# Altium PCB PCB_Template.PcbDoc (part 5 of 6)
Units mm, origin at the board's own origin, x right, y up, seen from the top; angles counter-clockwise.
Board outline 93 x 50 mm, 4 copper layers (Top Layer, Int1 (GND), Int2 (PWR), Bottom Layer), stack 1.369 mm thick; 176 components, 236 nets, 978 pads, 657 vias.
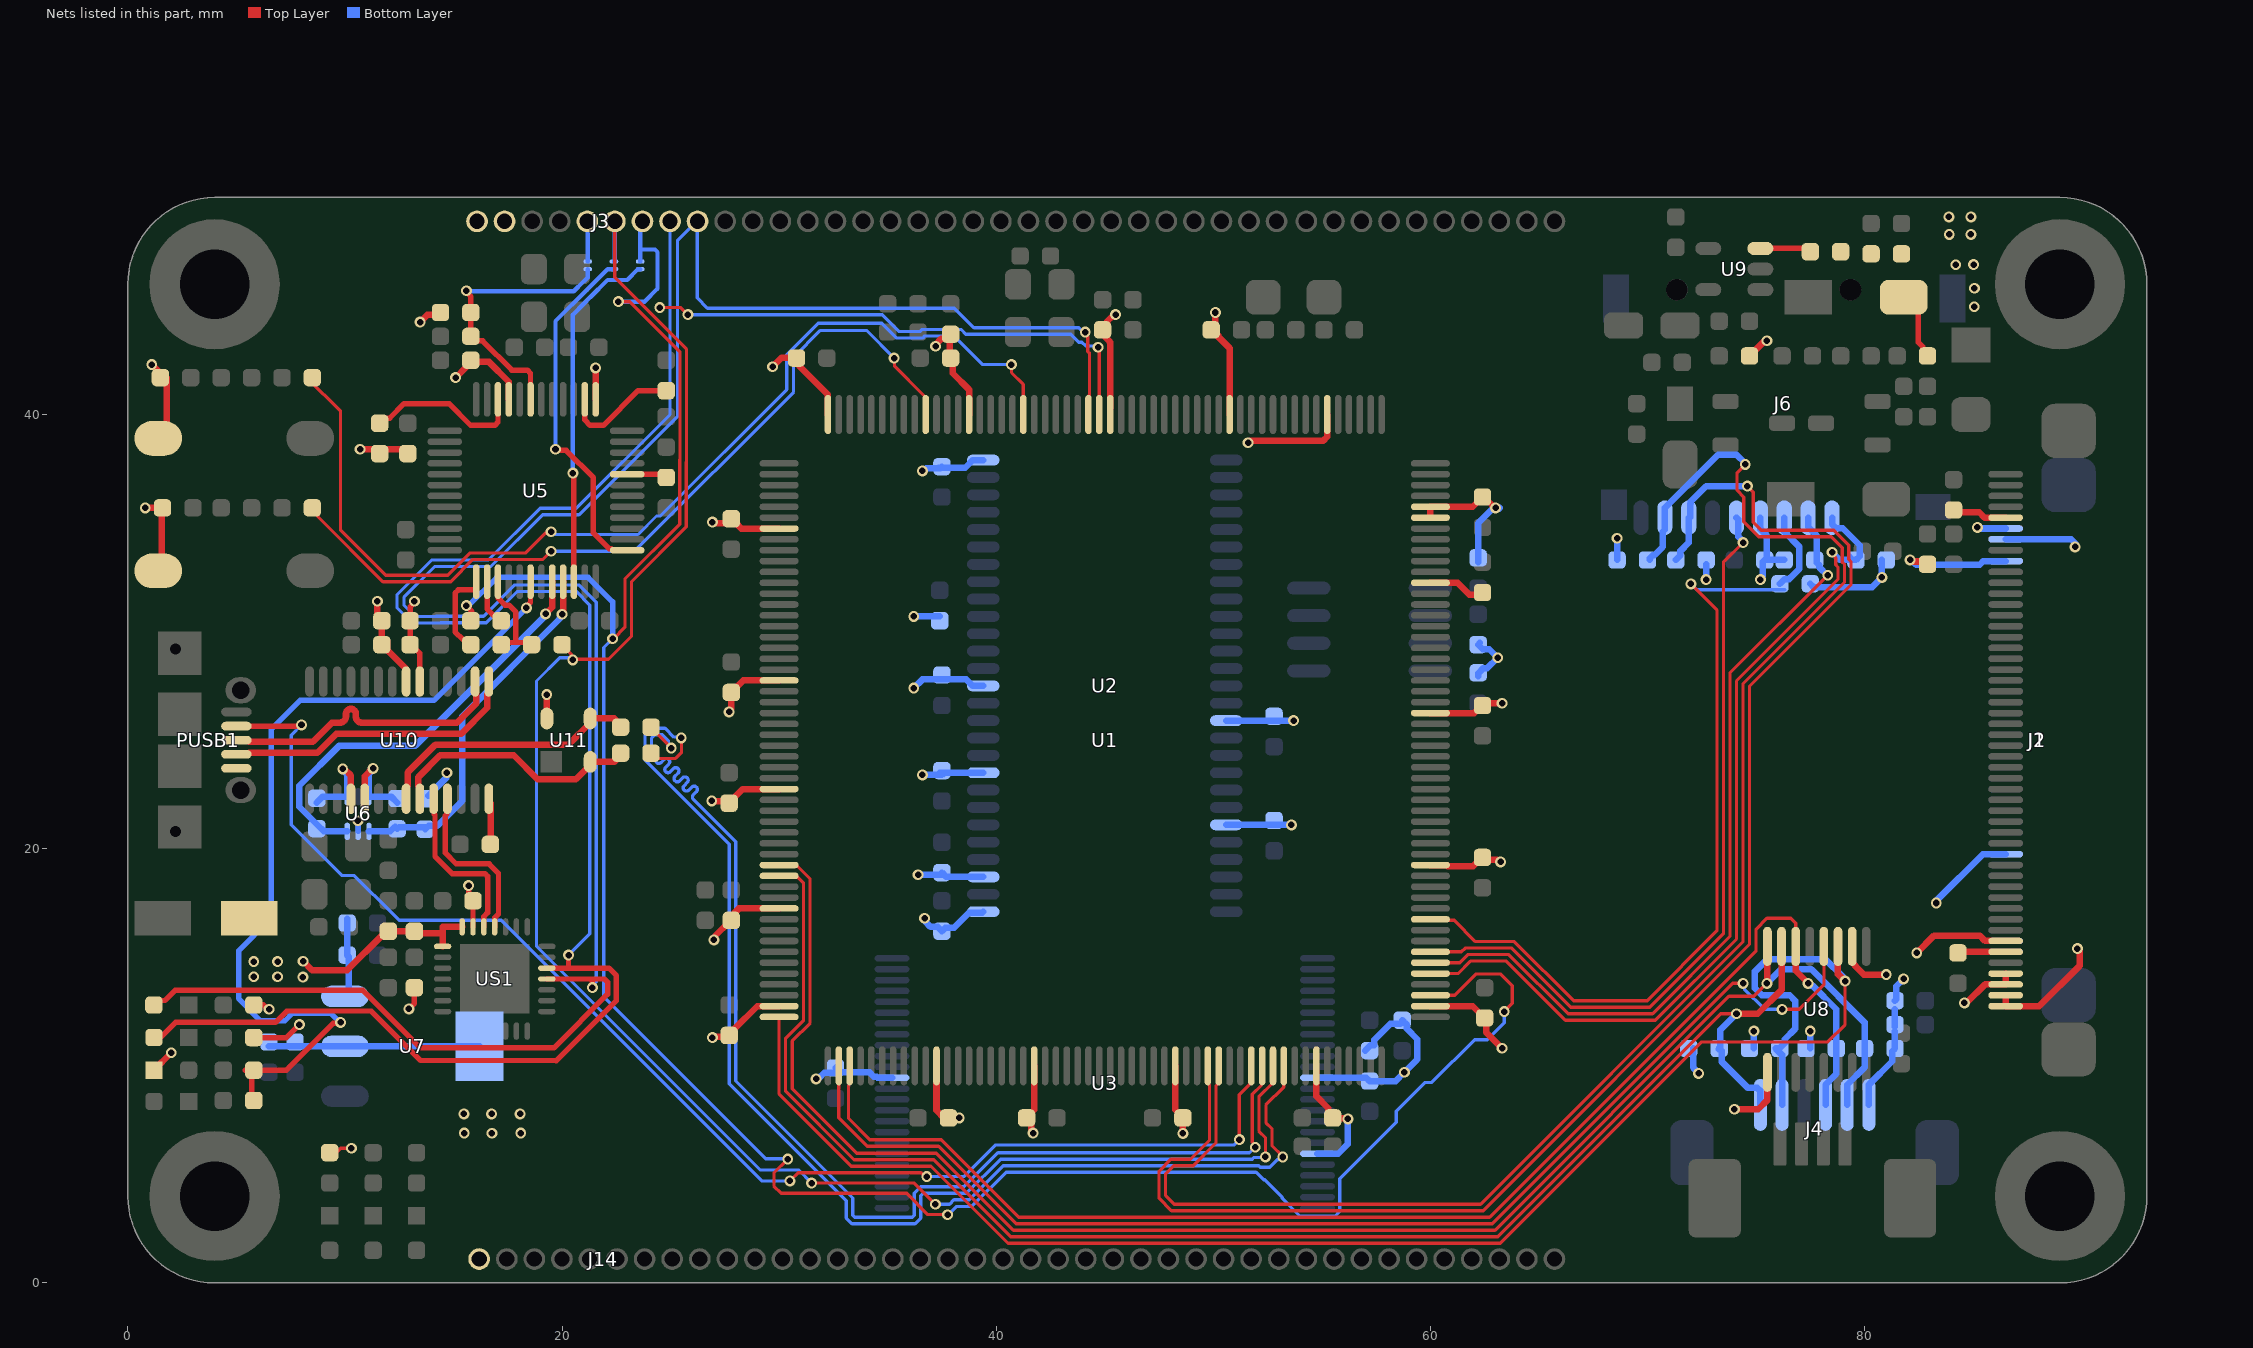
[diagram p7: the nets of this part, all layers, seen from the top]

## Via types
v1: diameter 0.5, hole 0.3, Top Layer to Bottom Layer, tented both sides, 457 vias
v2: diameter 0.5/0.5 (per signal layer), hole 0.3, Top Layer to Bottom Layer, tented both sides, 152 vias
v3: diameter 0.8, hole 0.5, Top Layer to Bottom Layer, 32 vias
v4: diameter 0.7/0.5 (per signal layer), hole 0.5, Top Layer to Bottom Layer, tented both sides, 9 vias
v5: diameter 0.3, hole 0.2, Top Layer to Bottom Layer, tented both sides, 7 vias

## Nets (pads, with @x,y where several pads share a name; then routed paths per layer and width w, separated by ;. In a path a pad name is that pad's centre, name@x,y a point inside that pad or via, vN(x,y) a via of type N, cw(c..) or ccw(c..) an arc to the next point about the centre after c; other vN are vias at no path point) (continued)
NetJ1_6: J1.6 R1.2 | length 2.3
  Top Layer w0.3: R1.2@84.3,15 R1.2@84.35,15.05 ; R1.2@84.3,15.2 84.35,15.25 J1.6@86.5,15.25
NetJ1_46: J1.46 R34.2 | length 2.5
  Top Layer w0.3: R34.2@84.15,35.55 84.2,35.5 85.278,35.5 85.528,35.25 J1.46@86.5,35.25
NetR6_2: R6.2 U1.197 | length 2.8
  Top Layer w0.3: U1.197@60,32.25 61.25,32.25 61.8,31.7 R6.2@62.538,31.7
NetR18_2: R18.2 U5.10 | length 7.3
  Top Layer w0.25: R18.2@11.6,39.6 11.829,39.829 12.057,39.829 12.728,40.5 14.8,40.5 15.796,39.504 16.904,39.504 17.05,39.65 U5.10@17.05,40.7
NetR20_1: R20.1 U5.2 | length 5.7
  Top Layer w0.25: U5.2@21.05,40.7 21.05,39.75 21.3,39.5 21.9,39.5 23.5,41.1 R20.1@25.081,41.1
NetR21_2: R21.2 R22.2 U5.30 | length 40.5
  Top Layer w0.25: R21.2@5.4,9.8 R21.2@5.6,9.8 ; R22.2@5.7,8.4 5.7,9.8 7.3,9.8 9.458,11.958 9.758,11.958 v1(9.8,12) ; v1(18.362,31.095) 18.362,31.163 18.55,31.35 U5.30@18.55,32.3
  Bottom Layer w0.25: v1(9.8,12) 9.766,12 9.341,12.425 7.583,12.425 7.229,12.071 6.111,12.071 5.587,12.596 5.587,12.613 5.1,13.1 5.1,15.3 6.6,16.8 6.6,25.5 7.932,26.832 14.1,26.832 v1(18.362,31.095)
NetR24_1: R24.1 U5.44 | length 1.8
  Top Layer w0.25: U5.44@23,37.25 24.75,37.25 R24.1@24.8,37.3
NetR25_1: R25.1 R27.2 U5.27 | length 4.2
  Top Layer w0.25: U5.27@17.05,32.3 17.06,32.29 17.06,31.539 17.381,31.218 17.554,31.218 17.875,30.897 17.875,29.5 ; R25.1@17.419,29.5 17.875,29.5 ; R27.2@18.4,29.5 17.875,29.5
NetR25_2: R25.2 U5.25 | length 4.2
  Top Layer w0.25: R25.2@15.8,29.4 15.571,29.629 15.44,29.629 15.075,29.994 15.075,31.775 15.221,31.921 16.027,31.921 16.05,31.945 U5.25@16.05,32.3
NetR26_2: R26.2 U5.26 | length 2
  Top Layer w0.25: 16.55,31.313 U5.26@16.55,32.3 ; 16.55,31.313 16.55,31.05 R26.2@17.1,30.5
NetR37_1: R37.1 U10.14 | length 2
  Top Layer w0.3: R37.1@16.5,20.2 16.728,20.428 U10.14@16.728,22.1
NetR39_2: R39.2 U9.3 | length 2.3
  Top Layer w0.25: U9.3@75.2,47.65 R39.2@77.525,47.65
NRST: R7.2 U1.34 | length 48.7
  Top Layer w0.15: R7.2@8.25,41.7 9.8,40.15 9.8,34.674 11.874,32.6 14.745,32.6 15.77,33.625 18.325,33.625 19.233,34.533 19.428,34.533 v1(19.495,34.6) ; v1(40.7,42.3) 40.705,42.295 40.705,41.933 41.25,41.387 U1.34@41.25,40
  Bottom Layer w0.15: v1(19.495,34.6) 19.589,34.6 19.714,34.475 23.503,34.475 24.353,35.325 24.529,35.325 30.352,41.148 30.352,42.748 31.804,44.2 34.735,44.2 35.415,43.52 36.61,43.52 36.711,43.621 38.051,43.621 39.372,42.3 v1(40.7,42.3)
RESET: J3.5 JP4.1 | length 1.9
  Bottom Layer w0.2: J3.5@21.165,48.9 21.184,48.881 JP4.1@21.184,47.05
RST_ST: C61.2 JP4.2 R23.1 U5.7 | length 12.9
  Top Layer w0.25: v1(15.6,45.7) 15.6,45.638 15.8,45.438 R23.1@15.8,44.7 C61.2@15.8,43.6 ; C61.2@15.9,43.5 16.003,43.397 16.339,43.397 17.692,42.044 18.404,42.044 18.55,41.897 U5.7@18.55,40.7
  Bottom Layer w0.2: v1@15.675,45.65 15.7,45.675 20.543,45.675 20.993,46.125 21,46.125 21.187,46.313 21.184,46.316 JP4.2@21.184,46.7
SDIO_CLK: J6.5 U1.163 | length 35.8
  Top Layer w0.15: U1.163@60,15.25 61.422,15.25 61.598,15.425 63.744,15.425 66.469,12.7 70.111,12.7 73.5,16.089 73.5,33.2 v1(74.4,34.1)
  Bottom Layer w0.3: J6.5@74.1,35.25 74.177,35.173 74.177,34.378 74.4,34.154 v1(74.4,34.1)
SDIO_CMD: J6.3 R15.1 U1.166 | length 40.3
  Top Layer w0.15: U1.166@60.5,16.7 61.1,16.7 62.075,15.725 63.868,15.725 66.593,13 69.987,13 73.2,16.213 73.2,31 v1(72,32.2)
  Bottom Layer w0.15: v1(72,32.2) 72.275,31.925 R15.1@76.325,31.925
  Bottom Layer w0.3: R15.1@76.1,32.2 76.319,32.419 76.519,32.419 76.7,32.6 76.707,32.6 77,32.893 77,33.9 76.3,34.6 J6.3@76.3,35.25
SDIO_D0: J6.7 R14.1 U1.140 | length 72.9
  Top Layer w0.15: U1.140@49.75,10 49.75,9.209 49.825,9.134 49.825,6.576 48.949,5.7 48.049,5.7 47.5,5.151 47.5,3.9 48.072,3.328 62.436,3.328 74.7,15.592 74.7,27.48 79.375,32.155 79.375,33.224 79.275,33.324 79.275,33.984 78.587,34.671 75.241,34.671 74.875,35.038 74.875,36.425 v1(74.6,36.7)
  Bottom Layer w0.3: R14.1@71.3,33.3 71.519,33.519 71.519,33.719 71.9,34.1 J6.7@71.9,35.25 ; J6.7@71.977,35.273 71.977,35.885 72,35.908 72,36 72.7,36.7 v1(74.6,36.7)
SDIO_D1: J6.8 R13.1 U1.141 | length 75
  Top Layer w0.15: U1.141@50.25,10 50.25,9.209 50.125,9.084 50.125,6.451 49.074,5.4 48.173,5.4 47.8,5.027 47.8,4.024 48.196,3.628 62.312,3.628 74.4,15.716 74.4,27.604 79.075,32.279 79.075,33.1 78.975,33.2 78.975,33.859 78.463,34.371 75.117,34.371 74.428,35.06 74.428,36.2 74.125,36.503 74.125,37.325 v1(74.5,37.7)
  Bottom Layer w0.3: R13.1@70.1,33.3 70.1,33.373 70.246,33.519 70.319,33.519 70.7,33.9 70.7,34.592 70.8,34.692 70.8,35.7 72.562,37.462 73.25,38.15 74.104,38.15 74.5,37.754 v1(74.5,37.7)
SDIO_D2: J6.1 R12.1 U1.161 | length 41.2
  Top Layer w0.15: U1.161@60,14.25 61.271,14.25 61.846,14.825 63.495,14.825 66.22,12.1 70.36,12.1 74.1,15.84 74.1,27.728 78.775,32.403 78.775,32.975 78.675,33.075 78.675,33.393 78.5,33.568 v1(78.5,33.656)
  Bottom Layer w0.15: R12.1@79.289,33.558 R12.1@79.51,33.337
  Bottom Layer w0.3: v1(78.5,33.656) 78.856,33.3 R12.1@79.6,33.3 79.776,33.476 79.776,33.974 78.991,34.759 78.685,34.759 78.5,34.944 J6.1@78.5,35.25
SDIO_D3: J6.2 R11.1 U1.162 | length 38.1
  Top Layer w0.15: U1.162@60,14.75 61.346,14.75 61.722,15.125 63.62,15.125 66.345,12.4 70.236,12.4 73.8,15.964 73.8,28.1 v1(78.3,32.6)
  Bottom Layer w0.3: J6.2@77.4,35.25 77.4,34.824 77.8,34.424 77.8,33.173 77.919,33.054 77.919,32.956 78.275,32.6 v1(78.3,32.6)
STLinkV2_PA11: R28.1 U5.32 U6.6 | length 19.9
  Top Layer w0.3: v1(19.246,30.816) 19.55,31.12 U5.32@19.55,32.3
  Bottom Layer w0.3: U6.6@10.108,20.8 9.031,20.8 8.708,21.123 7.9,21.931 7.9,22.9 9.75,24.75 13.25,24.75 19.146,30.646 19.146,30.662 19.246,30.762 v1(19.246,30.816)
STLinkV2_PA12: R29.1 R30.1 U5.33 U6.4 | length 16.9
  Top Layer w0.3: v1(20,30.8) 20,30.854 20.05,30.904 U5.33@20.05,32.3
  Bottom Layer w0.3: U6.4@11.108,20.8 12.092,20.8 R29.1@12.308,21.015 ; R29.1@12.408,20.915 12.492,21 R30.1@13.7,21 ; R30.1@13.7,20.9 13.86,21.06 14.26,21.06 15.4,22.2 15.4,26.094 19.9,30.594 19.9,30.646 20,30.746 v1(20,30.8)
STLinkV2_PA13: JP2.2 U5.34 | length 16.3
  Top Layer w0.25: v1(20.5,37.3) 20.5,37.232 20.55,37.182 U5.34@20.55,32.3
  Bottom Layer w0.2: v1(20.5,37.3) 20.5,44.6 21,45.1 21,45.107 21.293,45.4 21.3,45.4 22.1,46.2 23,46.2 23.5,46.7 JP2.2@23.6,46.7
STLinkV2_PA14: JP3.2 U5.37 | length 16.3
  Top Layer w0.25: v1(19.7,38.4) 19.748,38.352 20.19,38.352 21.446,37.097 21.446,34.553 22.174,33.825 22.261,33.825 22.336,33.75 U5.37@23,33.75
  Bottom Layer w0.2: v1(19.7,38.4) 19.7,44.302 21.148,45.75 21.155,45.75 22.105,46.7 JP3.2@22.392,46.7
SWD_DIO: J3.6 JP3.1 R27.1 U1.147 | length 87.1
  Top Layer w0.15: R27.1@19.824,29.376 20.019,29.376 20.427,28.967 20.427,28.767 v1(20.494,28.7) 20.528,28.733 22.141,28.733 23.2,29.792 23.2,32.3 25.725,34.825 25.725,37.799 25.731,37.805 25.731,43.022 22.435,46.318 J3.6@22.435,48.9 ; v1(31.5,4.6) 36.225,4.6 v1(37.2,3.625) ; v1(53.2,5.8) 53.2,5.828 52.704,6.324 52.704,7.105 52.425,7.384 52.425,8.197 53.249,9.021 53.249,9.999 U1.147@53.25,10
  Bottom Layer w0.15: v1@20.494,28.8 19.9,28.8 18.825,27.725 18.825,15.499 29.124,5.2 30.9,5.2 v1(31.5,4.6) ; v1(37.2,3.625) 37.853,3.625 38.053,3.825 38.753,3.825 40.328,5.4 52.094,5.4 52.167,5.327 52.599,5.327 52.95,5.678 52.984,5.678 53.105,5.8 v1(53.2,5.8)
  Bottom Layer w0.2: JP3.1@22.392,47.05 22.435,47.05 J3.6@22.435,48.9
SWD_TCLK: J3.7 JP2.1 R26.1 U1.159 | length 111.7
  Top Layer w0.15: v1(22.328,29.672) 22.373,29.672 22.9,30.199 22.9,32.424 25.425,34.949 25.425,37.923 25.431,37.929 25.431,42.897 23.129,45.2 v1(22.6,45.2) ; v1(30.4,5.7) 29.762,5.062 29.762,4.462 30.099,4.125 35.875,4.125 36.85,3.15 37.75,3.15 v1(37.758,3.142) ; U1.159@60,13.25 61.119,13.25 62.095,14.225 63.247,14.225 63.775,13.697 63.775,12.875 v1(63.4,12.5)
  Top Layer w0.25: v1(15.6,31.2) 15.6,31.176 15.848,30.929 15.848,30.652 R26.1@16,30.5
  Bottom Layer w0.15: v1(22.328,29.672) 21.925,29.268 21.925,13.175 29.375,5.725 30.375,5.725 v1(30.4,5.7) ; v1(37.758,3.142) 37.794,3.142 38.178,3.525 38.878,3.525 40.453,5.1 51.97,5.1 52.317,4.753 52.365,4.753 53.18,3.938 53.18,3.89 53.995,3.075 55.605,3.075 55.825,3.295 55.825,4.797 58.432,7.404 58.432,7.904 59.764,9.235 60.064,9.235 62.034,11.206 62.624,11.206 63.4,11.982 v1(63.4,12.5)
  Bottom Layer w0.2: v1(22.6,45.2) 23.8,45.2 24.4,45.8 24.4,47.483 24.283,47.6 23.6,47.6 ; JP2.1@23.6,47.05 23.6,47.6 ; J3.7@23.705,48.9 23.6,48.795 23.6,47.6
  Bottom Layer w0.25: v1@15.7,31.2 17,32.5 21.2,32.5 22.328,31.372 v1(22.328,29.672)
T_CS: J4.6 R46.2 U1.91 U8.15 | length 72.2
  Top Layer w0.15: U1.91@30,18.75 30.78,18.75 31.125,18.405 31.125,12.094 30.3,11.269 30.3,8.824 33.449,5.675 37.121,5.675 40.668,2.128 63.104,2.128 73.376,12.4 v1(74.1,12.4)
  Top Layer w0.3: v1(74.1,12.4) 75.078,12.4 76.175,13.497 U8.15@76.175,15.5
  Bottom Layer w0.3: R46.2@73.274,10.774 73.36,10.86 73.36,11.66 v1(74.1,12.4) ; R46.2@73.3,10.8 73.414,10.686 73.414,10.195 74.626,8.984 75.061,8.984 75.2,8.845 J4.6@75.2,8.2
T_MISO: U1.106 U8.12 | length 57.2
  Top Layer w0.15: U1.106@32.75,10 32.75,7.601 34.051,6.3 37.345,6.3 40.917,2.728 62.855,2.728 73.925,13.798 74.398,13.798 v1(74.4,13.8) ; v1(76.2,12.6) 77,12.6 78.125,13.725 U8.12@78.125,15.5
  Bottom Layer w0.15: v1(74.4,13.8) 74.467,13.733 74.467,13.525 75.392,12.6 v1(76.2,12.6)
T_MOSI: J4.3 R41.2 U1.107 U8.14 | length 63.8
  Top Layer w0.15: U1.107@33.25,10 33.221,9.971 33.221,9.115 33.196,9.09 33.196,7.579 34.176,6.6 37.469,6.6 41.041,3.028 62.728,3.028 75,15.3 75,16.3 75.5,16.8 76.6,16.8 76.825,16.575 U8.14@76.825,15.5
  Top Layer w0.3: U8.14@76.825,15.5 76.825,14.375 v1(77.4,13.8)
  Bottom Layer w0.3: v1(77.4,13.8) 77.454,13.8 77.554,13.7 77.6,13.7 78.7,12.6 R41.2@78.7,10.8 78.7,9.626 78.2,9.126 J4.3@78.2,8.2
T_PEN: J4.5 R43.2 U1.104 U8.11 | length 76.5
  Top Layer w0.15: U1.104@30,12.25 30,8.7 33.325,5.375 36.997,5.375 40.544,1.828 63.228,1.828 72.5,11.1 78.3,11.1 79.1,11.9 v1(79.1,13.9)
  Top Layer w0.3: U8.11@78.775,15.5 78.775,14.225 v1(79.1,13.9)
  Bottom Layer w0.3: J4.5@76.2,8.2 76.2,10.5 75.9,10.8 76.073,10.8 76.319,11.046 76.319,11.219 76.8,11.7 76.8,13 76.55,13.25 75.272,13.25 74.95,13.572 74.95,14.35 75.5,14.9 78.2,14.9 79,14.1 79,14.054 79.1,13.954 v1(79.1,13.9)
T_SCLK: J4.2 R40.2 U1.90 U8.16 | length 75.7
  Top Layer w0.15: U1.90@30,19.25 30.78,19.25 31.425,18.605 31.425,11.97 30.6,11.145 30.6,8.949 33.574,5.975 37.245,5.975 40.792,2.428 62.979,2.428 73.751,13.2 74.9,13.2 v1@75.525,13.825
  Top Layer w0.3: v1(75.5,13.8) 75.525,13.825 U8.16@75.525,15.5
  Bottom Layer w0.3: v1(75.5,13.8) 76.15,14.45 77.55,14.45 80,12 80,9.926 79.2,9.126 J4.2@79.2,8.2
UART_RX: D9.2 J3.8 U1.27 US1.26 | length 105.4
  Top Layer w0.15: v1(24.5,44.925) 25.475,44.925 v1(25.8,44.6) ; v1(44.694,43.098) 44.75,43.042 U1.27@44.75,40
  Top Layer w0.25: D9.2@1.504,11.304 2.204,12.004 ; 2.213,12 6.8,12 7.325,12.525 11.209,12.525 13.489,10.245 19.725,10.245 ; US1.26@19.3,14.5 20.3,14.5 ; 19.725,10.225 22.5,13 22.5,14.154 22.154,14.5 20.3,14.5 ; v1(20.3,15.1) 20.3,14.5
  Bottom Layer w0.15: v1@20.292,15.092 21.275,16.075 21.275,31.225 20.65,31.85 17.95,31.85 16.512,30.412 14.412,30.412 14.4,30.4 13.104,30.4 12.4,31.104 12.4,31.696 14.004,33.3 16.6,33.3 18.988,35.688 20.664,35.688 24.975,39.999 24.975,44.925 ; v1(24.5,44.925) 24.975,44.925 ; J3.8@24.975,48.9 24.975,44.925 ; v1(25.8,44.6) 34.76,44.6 35.54,43.82 36.486,43.82 36.587,43.921 38.379,43.921 38.6,43.7 43.439,43.7 43.804,43.335 43.942,43.335 44.117,43.16 44.632,43.16 v1(44.694,43.098)
UART_TX: D10.2 J3.9 U1.28 US1.25 | length 106.8
  Top Layer w0.15: v1(44.1,43.8) 44.1,43.705 44.219,43.587 44.219,42.902 44.3,42.82 44.3,40.906 44.279,40.885 44.279,40.029 U1.28@44.25,40
  Top Layer w0.25: D10.2@1.2,12.8 1.408,13.008 1.708,13.008 2.175,13.475 10.825,13.475 13.475,10.825 19.625,10.825 22.1,13.3 22.1,13.854 21.954,14 21.4,14 ; US1.25@19.3,14 21.4,14 ; v1(21.4,13.6) 21.4,14
  Bottom Layer w0.15: v1@21.305,13.505 21.305,13.593 21.575,13.863 21.575,31.349 20.774,32.15 17.826,32.15 16.388,30.712 14.212,30.712 14.2,30.7 13.228,30.7 12.725,31.203 12.725,31.597 14.128,33 16.724,33 19.112,35.388 20.788,35.388 25.325,39.925 25.325,48.025 25.76,48.46 25.775,48.46 26.215,48.9 J3.9@26.245,48.9 J3.9@26.245,48.7 ; J3.9@26.225,48.7 26.225,45.375 26.7,44.9 38.072,44.9 38.972,44 43.805,44 44.005,43.8 v1(44.1,43.8)
USB_N: PUSB1.2 U10.15 | length 13.7
  Top Layer w0.3: PUSB1.2@5,24.35 5.527,24.35 5.602,24.425 8.732,24.425 9.607,25.3 15.367,25.3 16.56,26.493 16.56,27.105 16.628,27.173 U10.15@16.628,27.7
USB_OTG_FS_ID: PUSB1.4 U1.144 | length 62.8
  Top Layer w0.15: v1(30.5,4.7) 30.875,5.075 33.428,5.075 36.537,5.075 36.712,4.9 v1(36.8,4.9) ; v1(51.2,6.6) 51.2,8.67 51.75,9.22 U1.144@51.75,10
  Top Layer w0.25: PUSB1.4@5,25.65 7.882,25.65 7.932,25.7 v1(8,25.7)
  Bottom Layer w0.15: v1(8,25.7) 7.525,25.225 7.525,21.105 9.868,18.762 10.439,18.762 12.225,16.976 ; 12.225,16.975 12.5,16.7 17.2,16.7 29.2,4.7 v1(30.5,4.7) ; v1(36.8,4.9) 38.5,4.9 39.95,6.35 50.937,6.35 51.187,6.6 v1(51.2,6.6)
USB_OTG_FS_N: R31.2 U1.145 | length 56
  Top Layer w0.15: R31.2@24.09,25.592 25.033,24.65 v1(25.033,24.633) ; v1(51.929,6.252) 51.929,6.347 51.8,6.476 51.8,8.694 52.221,9.115 52.221,9.971 U1.145@52.25,10
  Bottom Layer w0.15: v1@24.933,24.633 24.899,24.666 24.899,24.971 24.622,25.248 24.267,25.248 24.125,25.106 24.125,24.2 24.354,23.971 ccw(c24.46,24.077) 24.566,23.971 24.707,24.113 cw(c24.813,24.007) 24.92,24.113 cw(c24.813,24.007) 24.92,23.9 24.778,23.759 ccw(c24.884,23.653) 24.778,23.547 ccw(c24.884,23.653) 24.99,23.547 25.132,23.688 cw(c25.238,23.582) 25.344,23.688 cw(c25.238,23.582) 25.344,23.476 25.202,23.335 ccw(c25.308,23.229) 25.202,23.123 ccw(c25.308,23.229) 25.414,23.123 25.556,23.264 cw(c25.662,23.158) 25.768,23.264 cw(c25.662,23.158) 25.768,23.052 25.627,22.911 ccw(c25.733,22.804) 25.627,22.698 ccw(c25.733,22.804) 25.839,22.698 25.98,22.84 cw(c26.086,22.734) 26.192,22.84 cw(c26.086,22.734) 26.192,22.628 26.051,22.486 ccw(c26.157,22.38) 26.051,22.274 26.316,22.009 28,20.325 28,9.3 33.389,3.911 33.389,3.113 33.477,3.025 36.137,3.025 36.225,3.113 36.225,4.136 36.514,4.425 38.505,4.425 40.08,6 51.667,6 51.918,6.252 v1(51.929,6.252)
USB_OTG_FS_P: R32.2 U1.146 | length 56.3
  Top Layer w0.15: R32.2@24.1,24.4 24.342,24.158 25.229,24.158 25.508,24.436 25.508,25.092 v1(25.492,25.108) ; v1(52.402,5.802) 52.404,5.804 52.404,6.691 52.1,6.995 52.1,8.57 52.75,9.22 U1.146@52.75,10
  Bottom Layer w0.15: v1(25.492,25.108) 25.459,25.141 25.154,25.141 24.747,25.548 24.143,25.548 23.825,25.23 23.825,24.076 27.7,20.201 27.7,9.176 33.089,3.787 33.089,2.989 33.352,2.725 36.261,2.725 36.525,2.989 36.525,4.012 36.638,4.125 38.629,4.125 40.204,5.7 51.791,5.7 51.868,5.777 52.377,5.777 v1(52.402,5.802)
USB_P: PUSB1.3 U10.16 | length 13.7
  Top Layer w0.3: PUSB1.3@5,25 5.527,25 5.602,24.925 8.525,24.925 9.4,25.8 9.6,25.8 9.75,25.8 ccw(c9.75,26.1) 10.05,26.1 10.05,26.214 cw(c10.275,26.214) 10.275,26.439 cw(c10.275,26.214) 10.5,26.214 10.5,26.1 ccw(c10.8,26.1) 10.8,25.8 11.4,25.8 15.16,25.8 16.06,26.7 16.06,27.105 15.993,27.173 U10.16@15.993,27.7
USBDN1_N: U10.10 US1.5 | length 7.9
  Top Layer w0.25: U10.10@14.088,22.3 14.116,22.271 14.116,21.593 14.15,21.559 14.15,19.642 14.942,18.85 16.454,18.85 16.575,18.729 16.575,17.052 16.4,16.877 US1.5@16.4,16.4
USBDN1_P: U10.11 US1.4 | length 8.1
  Top Layer w0.25: 14.625,21.333 14.625,21.134 ; U10.11@14.723,22.3 14.694,22.271 14.694,21.593 14.629,21.528 14.629,21.333 14.629,21.137 14.625,21.134 ; US1.4@16.9,16.4 16.9,16.811 17.075,16.986 17.075,18.865 16.64,19.3 15.128,19.3 14.625,19.803 14.625,21.134
USBDN2_N: R31.1 U10.8 U11.3 | length 12.5
  Top Layer w0.3: U10.8@12.818,22.3 12.818,22.827 12.885,22.895 12.885,23.507 14.178,24.8 20.3,24.8 21.3,25.8 U11.3@21.3,26 22.4,26 R31.1@22.8,25.6
USBDN2_P: R32.1 U10.9 U11.2 | length 11.9
  Top Layer w0.3: U10.9@13.453,22.3 13.453,22.827 13.385,22.895 13.385,23.3 14.385,24.3 17.776,24.3 18.876,23.2 20.639,23.2 21.3,23.861 U11.2@21.3,24 22.4,24 R32.1@22.8,24.4
USBDN4_N: R28.2 U6.1 U10.4 | length 4.4
  Top Layer w0.3: v1(9.9,23.673) 9.938,23.635 10.011,23.635 10.278,23.368 U10.4@10.278,22.3
  Bottom Layer w0.3: R28.2@8.708,22.123 8.984,22.4 U6.1@10.108,22.4 10.108,23.411 9.9,23.619 v1(9.9,23.673)
USBDN4_P: R29.2 U6.3 U10.5 | length 4.4
  Top Layer w0.3: U10.5@10.913,22.3 10.913,23.343 11.27,23.7 v1(11.3,23.7)
  Bottom Layer w0.3: v1(11.3,23.7) 11.3,23.646 11.108,23.454 U6.3@11.108,22.4 12.123,22.4 R29.2@12.408,22.115
VCC3V3: C1.1 C2.1 C3.1 C5.1 C6.1 C7.1 C9.1 C10.1 C11.1 C12.1 C13.1 C14.1 C15.1 C16.1 C17.1 C18.1 C19.1 C20.1 C22.1 C32.1 C37.2 C38.2 C42.2 C43.2 C44.2 C45.2 C46.2 C47.2 C50.2 C51.2 C52.2 C53.2 C54.2 C58.2 C62.1 C70.1 C71.1 D1.1 FB1.2 J1.7 J2.4 J2.31 J3.1 J4.1 J6.4 J14.10 R2.2 R8.2 R9.2 R10.2 R11.2 R12.2 R13.2 R14.2 R15.2 R16.2 R17.2 R18.1 R19.2 R23.2 R30.2 R40.1 R41.1 R43.1 R46.1 R47.2 SW1.2 SW2.2 U1.6 U1.15 U1.26 U1.39 U1.52 U1.59 U1.73 U1.83 U1.94 U1.103 U1.115 U1.124 U1.137 U1.150 U1.158 U1.171 U1.185 U1.203 U1.204 U2.1 U2.3 U2.9 U2.14 U2.27 U2.43 U2.49 U3.12 U3.19 U3.37 U5.1 U5.9 U7.2 U7.4 U8.1 U8.10 U10.21 | length 187
  Top Layer w0.15: R47.2@9.3,5.7 9.8,6.2 v1(10.3,6.2)
  Top Layer w0.3: v1(0.8,35.7) C22.1@1.6,35.7 ; v1(1.1,42.3) C32.1@1.7,41.7 ; D1.1@1.204,9.804 v1(2,10.6) ; SW1.2@1.4,32.8 1.568,32.968 C22.1@1.568,35.484 ; SW2.2@1.4,38.9 1.8,39.3 C32.1@1.8,41.7 ; v1(10.7,38.4) R19.2@12.9,38.4 ; C71.1@11.5,30.5 v1(11.5,31.4) ; C70.1@11.7,29.5 C71.1@11.7,30.5 ; C70.1@11.95,29.55 11.95,29.15 12.798,28.302 12.798,27.719 U10.21@12.818,27.7 ; v1(13.462,44.26) 13.792,44.589 14.289,44.589 R23.2@14.4,44.7 ; v1(15.1,41.7) 15.581,42.181 15.581,42.254 C58.2@15.752,42.425 ; C58.2@15.952,42.425 16.113,42.425 16.638,42.425 17.55,41.513 U5.9@17.55,40.7 ; U5.1@21.55,40.7 v1(21.55,42.15) ; v1(26.9,22.2) 26.916,22.184 27.584,22.184 27.6,22.2 27.773,22.2 28.322,22.75 U1.83@30,22.75 ; v1(26.927,35.044) 26.981,35.044 27.025,35 C13.1@27.8,35 ; v1(26.929,11.302) 26.967,11.34 27.467,11.34 27.727,11.6 27.873,11.6 27.95,11.677 27.95,11.705 28.994,12.75 U1.103@30,12.75 ; v1(27,15.8) 27.038,15.838 27.038,15.965 27.7,16.627 27.7,16.8 28.15,17.25 U1.94@30,17.25 ; v1(27.7,26.3) 27.7,26.354 27.784,26.438 27.784,27.184 C12.1@27.8,27.2 28.35,27.75 U1.73@30,27.75 ; C13.1@27.8,35.2 C13.1@27.8,35 ; v1(29.7,42.2) 30.126,42.626 C2.1@30.901,42.626 ; U1.59@30,34.75 28.262,34.75 28.011,35 C13.1@27.8,35 ; C2.1@30.919,42.243 32.25,40.912 U1.52@32.25,40 ; v1(37.212,43.146) 37.212,43.231 37.462,43.481 37.654,43.481 FB1.2@37.786,43.614 ; U1.115@37.25,10 37.25,7.95 37.6,7.6 C1.1@37.8,7.6 v1(38.3,7.6) ; FB1.2@37.855,43.545 37.855,42.699 38,42.554 38,41.9 38.75,41.15 U1.39@38.75,40 ; C7.1@41.4,7.6 41.619,7.381 41.619,7.035 41.7,6.954 v1(41.7,6.9) ; C7.1@41.6,7.6 41.6,7.827 41.75,7.977 U1.124@41.75,10 ; C19.1@44.8,43.8 45.2,43.4 45.2,43.376 45.25,43.326 U1.26@45.25,40.3 ; C19.1@44.9,43.9 45.119,44.119 45.119,44.293 45.387,44.562 45.462,44.562 v1(45.5,44.6) ; U1.137@48.25,10 48.25,7.977 48.645,7.582 C6.1@48.645,7.581 ; C6.1@48.445,7.555 48.599,7.401 48.599,6.891 v1(48.597,6.889) ; C18.1@49.75,44.004 C18.1@49.769,44.004 ; C18.1@49.869,44.004 50.219,43.654 50.219,43.592 50.75,43.061 U1.15@50.75,40 ; C18.1@50.1,43.9 v1(50.1,44.7) ; v1(51.6,38.7) 51.7,38.8 55.074,38.8 55.25,38.976 U1.6@55.25,40 ; U1.150@54.75,10 54.75,8.6 55.3,8.05 C5.1@55.3,7.6 ; C5.1@55.5,7.6 55.523,7.577 56.175,7.577 v1(56.198,7.554) ; U1.158@60,12.75 61.95,12.75 C14.1@62.5,12.2 62.564,12.136 62.564,11.545 v1(63.3,10.808) ; U1.171@60,19.25 60.75,19.25 60.8,19.2 61.974,19.2 62.174,19.4 C15.1@62.4,19.4 ; U1.185@60,26.25 62.022,26.25 62.327,26.554 62.5,26.554 62.646,26.7 v1(63.3,26.7) ; U1.203@60,35.25 U1.204@60,35.75 61.95,35.75 C17.1@62.4,36.2 ; C17.1@62.25,36.05 62.319,35.981 62.693,35.981 62.974,35.7 v1(63,35.7) ; C15.1@62.4,19.6 62.519,19.481 63.088,19.481 63.178,19.392 v1(63.232,19.392) ; v1(74,8) 75.1,8 75.525,8.425 U8.1@75.525,9.7 ; U8.10@79.425,15.5 79.425,14.773 79.575,14.623 79.575,14.593 79.968,14.2 v1(81,14.2) ; v1(82.1,33.3) 82.154,33.3 82.224,33.23 82.77,33.23 R2.2@82.9,33.1 ; v1(82.4,15.2) 83.2,16 85.3,16 85.55,15.75 J1.7@86.5,15.75
  Bottom Layer w0.3: C3.1@6.5,10.9 U7.2@10,10.9 U7.4@16.2,10.9 ; R30.2@13.85,22.443 14.662,23.255 14.662,23.462 v1(14.7,23.5) ; v1(31.7,9.4) 31.738,9.438 31.838,9.438 32.076,9.676 32.576,9.676 C43.2@32.6,9.7 ; C43.2@32.6,9.9 32.8,9.7 34.164,9.7 34.364,9.5 34.5,9.5 34.55,9.45 U3.37@35.2,9.45 ; v1(36.2,27.4) 36.6,27.8 38.622,27.8 38.922,27.5 U2.14@39.4,27.5 ; v1(36.2,30.7) R8.2@37.4,30.7 ; v1(36.4,18.8) C45.2@37.6,18.8 ; v1(36.6,23.4) 37.5,23.4 37.6,23.5 C46.2@37.4,23.5 ; v1(36.6,37.4) 36.654,37.4 36.774,37.52 37.42,37.52 C50.2@37.45,37.55 ; v1(36.7,16.8) 36.738,16.762 36.738,16.632 36.976,16.395 37.305,16.395 C44.2@37.5,16.2 37.66,16.36 38.06,16.36 38.762,17.062 39.362,17.062 U2.1@39.4,17.1 ; C50.2@37.35,37.55 C50.2@37.45,37.55 ; C45.2@37.5,18.9 37.7,18.7 U2.3@39.4,18.7 ; C50.2@37.5,37.6 C50.2@37.45,37.55 ; C46.2@37.7,23.5 U2.9@39.4,23.5 ; U2.27@39.4,37.9 38.922,37.9 38.572,37.55 C50.2@37.45,37.55 ; U2.49@50.6,21.1 52.8,21.1 v1(53.6,21.1) ; U2.43@50.6,25.9 52.8,25.9 v1(53.7,25.9) ; U3.19@54.8,5.95 55.75,5.95 56.198,6.398 v1(56.198,7.554) ; U3.12@54.8,9.45 57.05,9.45 C42.2@57.2,9.3 58.4,9.3 v1(58.8,9.7) 58.808,9.7 59.4,10.293 59.4,11.225 58.919,11.706 58.919,11.881 R10.2@58.7,12.1 ; R9.2@57,10.7 57.246,10.946 57.419,10.946 57.419,11.192 58.154,11.927 58.607,11.927 R10.2@58.76,12.08 ; C54.2@62.2,27.949 62.2,28.073 62.446,28.319 62.619,28.319 v1(63.1,28.8) 62.707,29.193 62.407,29.193 R16.2@62.2,29.4 R16.2@62.281,29.481 ; R17.2@62.2,33.2 R17.2@62.2,33.4 62.2,35 62.862,35.662 63.162,35.662 v1@63.2,35.7 ; R13.2@68.6,33.3 v1(68.6,34.3) ; R46.1@72.1,10.8 72.1,9.926 72.35,9.676 v1(72.35,9.65) ; v1(72.7,32.4) R14.2@72.7,33.1 ; R43.1@74.9,10.8 v1(74.9,11.6) ; v1(75.2,32.4) 75.2,32.454 75.32,32.574 75.32,33.22 C53.2@75.4,33.3 ; J6.4@75.2,35.25 75.2,34.724 75.5,34.424 75.5,33.4 C53.2@75.4,33.3 ; R11.2@76.3,33.3 C53.2@75.4,33.3 ; R41.1@77.5,10.8 v1(77.5,11.6) ; R15.2@77.5,32.2 77.649,32.051 78.071,32.051 78.072,32.05 78.528,32.05 78.529,32.051 80.351,32.051 v1(80.8,32.5) R12.2@80.8,33.3 ; J4.1@80.2,8.2 80.2,9.136 81.272,10.208 81.272,10.672 R40.1@81.4,10.8 C38.2@81.4,11.6 ; C38.2@81.4,11.8 C38.2@81.4,11.9 C37.2@81.4,12.6 ; C37.2@81.4,13 81.46,13.06 81.46,13.66 v1(81.8,14) ; v1@82.04,33.36 82.094,33.36 82.37,33.084 85.3,33.084 85.466,33.25 J2.4@86.5,33.25 ; v1(83.3,17.5) 83.338,17.538 83.338,17.638 85.45,19.75 J2.31@86.5,19.75